# Altium PCB RadarPCB.PcbDoc (continued)
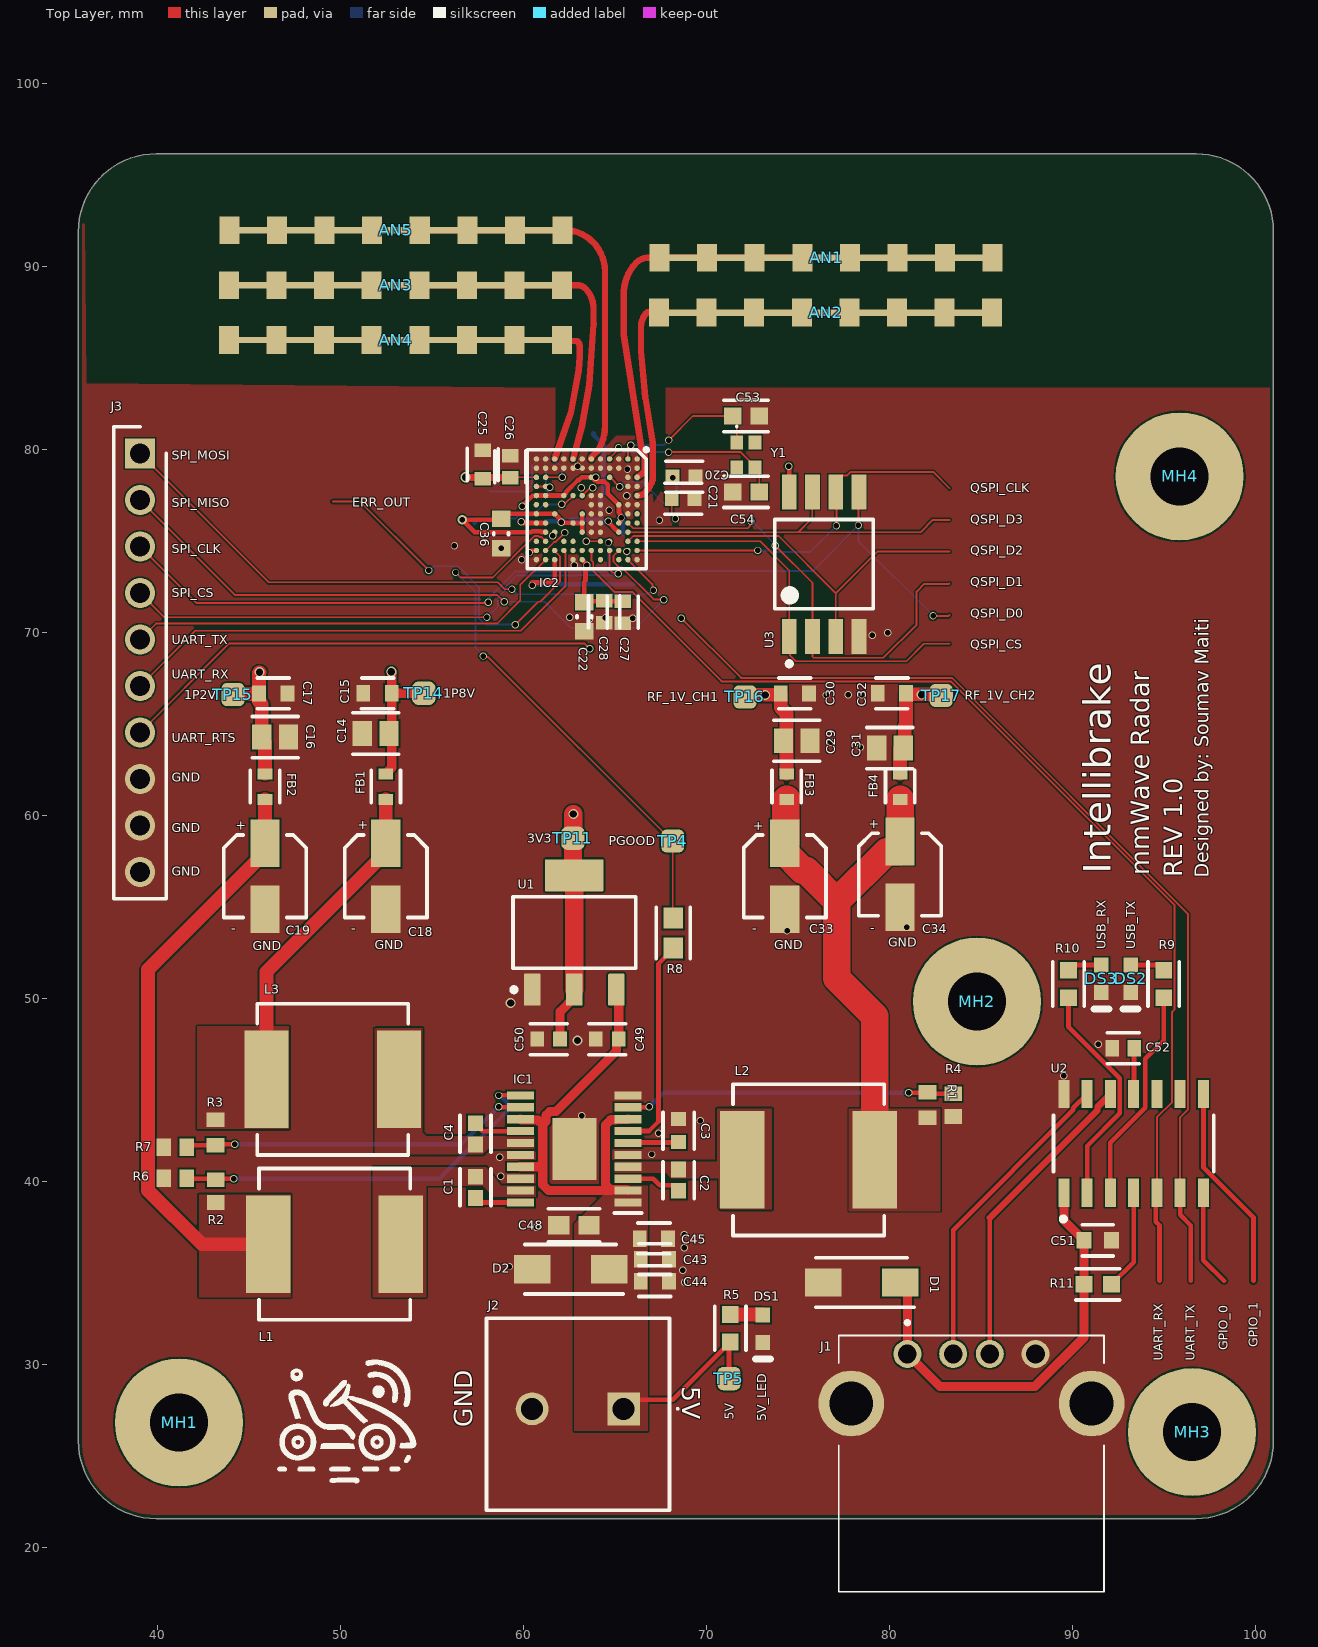
[diagram p0: Top Layer view]
## Part data (continued)
TP4 TP5 TP9 TP11 TP14 TP15 TP16 TP17 TP19 TP20 TP21 TP22 TP23 TP24 TP25 TP26 TP27 TP28: library part Testpoint
U1: library part CMP-0395-00503-2, "Single Output LDO, 1 A, Fixed 3.3 V Output, 2 to 5.5 V Input, 4-pin SOT-223 (DCY), -40 to 125 degC, Green (RoHS & no Sb/Br)", Manufacturer="Texas Instruments", Accuracy(%)=2, Code_JEDEC=TO-261, ComponentLink1Description="Manufacturer URL", ComponentLink1URL=http://www.ti.com/, ComponentLink2Description=Datasheet, ComponentLink2URL=http://www.ti.com/general/docs/lit/getliterature.tsp?genericPartNumber=TLV1117LV33&fileType=pdf, ComponentLink3Description="Package Specification", ComponentLink3URL=http://www.ti.com/litv/pdf/mpds094a, DatasheetVersion=SBVS160A, Eco-Plan="Green (RoHS & no Sb/Br)", Fixed Output Options(V)=3.3, Iout(Max)(A)=1, Iq(Typ)(mA)=0.05, Mounting Technology="Surface Mount", PackageDescription="4-Pin Plastic Small Outline, Body 3.5 x 6.5 mm, Pitch 2.3 mm", PackageReference=DCY0004A, PackageVersion=4202506/B, PartNumber=TLV1117LV33DCYR, SubFamily="Single Channel LDO", Vdo(Typ)(mV)=1200, Vin(Max)(V)=5.5, Vin(Min)(V)=2, Vout Adj(Max)(V)=3.3, Vout Adj(Min)(V)=3.3
U2: library part CMP-06284-000011-1, "IC USB TO I2C/UART 14SOIC", Ambient Temperature Range High=+85°C, Ambient Temperature Range Low=-40°C, Manufacturer=Microchip, Max Junction Temp=+150°C, Max Supply Voltage=5.5V, Min Supply Voltage=3V, Nominal Supply Current=10-13mA, Package=C04-065-SL, Temperature="-40°C to +85°C", Automotive=Yes, Automotive Grade="Grade 3", Category=IC, ComponentLink2Description=Datasheet, ComponentLink2URL=http://ww1.microchip.com/downloads/en/DeviceDoc/20005565B.pdf, Data Rate=12Mbits/s, Device Class L1="Integrated Circuits (ICs)", Device Class L2="Interface ICs", Device Class L3="USB Interface ICs", Digikey Description="IC USB TO I2C/UART 14SOIC", Footprint Url=http://ww1.microchip.com/downloads/en/DeviceDoc/14L%20SOIC%203_90%20mm%20%28SL%29%20C04-00065d.pdf, Height=1.75mm, Interface=I2C,UART,USB, Ipc Land Pattern Name=SOIC127P600X175-14, Lead Free=Yes, Manufacturer Part Number=MCP2221A-I/SL, Octopart=https://octopart.com/mcp2221a-i%2Fsl-microchip-71704986, RoHS=TRUE, Standoff Height=0.1mm, Temperature Range High=+85°C, Temperature Range Low=-40°C, Usb Standard="USB 2.0"
U3: library part CMP-2000-07408-2, "IC FLASH 8MBIT SPI 104MHZ 8SOIC", Case/Package=SOIC, Frequency=104MHz, Max Operating Temperature=85°C, Min Operating Temperature=-40°C, Interface=SPI, Memory Size=8Mb, Memory Type=Non-Volatile, Mount="Surface Mount", Packaging=Rail/Tube, RoHS Compliant=Yes, Series=SpiFlash®
Y1: "Crystal or Oscillator", Manufacturer_Name="Murata Electronics", Mouser Part Number=81-XRCGB40M000F0L0R0, Datasheet Link=https://www.murata.com/products/productdata/8801066844190/SPEC-XRCGB40M000F0L00R0.pdf, Height=0.7mm, Manufacturer_Part_Number=XRCGB40M000F0L00R0, Mouser Price/Stock=https://www.mouser.co.uk/ProductDetail/Murata-Electronics/XRCGB40M000F0L00R0?qs=e%252BE4OD6MgMeIG7IAXBIJgA%3D%3D

## Via types
v1: diameter 0.4, hole 0.3, Top Layer to Bottom Layer, tented bottom, 88 vias
v2: diameter 0.55, hole 0.4, Top Layer to Bottom Layer, tented bottom, 8 vias
v3: diameter 0.5, hole 0.3, Top Layer to Bottom Layer, tented bottom, 1 vias

## Nets (pads, with @x,y where several pads share a name; then routed paths per layer and width w, separated by ;. In a path a pad name is that pad's centre, name@x,y a point inside that pad or via, vN(x,y) a via of type N, cw(c..) or ccw(c..) an arc to the next point about the centre after c; other vN are vias at no path point)
1P2V_CORE: C16.1 C17.1 C36.2 C37.1 C38.1 C39.1 C41.1 C42.1 FB2.2 IC2.C9 IC2.G7 IC2.G8 IC2.G9 IC2.H8 IC2.K7 IC2.L9 IC2.M7 TP15.0 | length 44.1
  Top Layer w0.254: IC2.L9 61.222,75.508 61.008,75.508 60.961,75.556 60.5,75.556 60.444,75.5 57.35,75.5 v3(56.675,76.175) 58.7,76.175 59.025,76.5 IC2.M7 IC2.K7 62.222,76.008 62.722,76.008 IC2.H8 IC2.G8 ; IC2.G9 IC2.G8 ; IC2.G7 IC2.G8 ; v1(64.656,76.108) 64.684,76.08 64.684,76.029 65.102,75.611 65.108,75.611 65.218,75.5 IC2.C9
  Top Layer w0.75: TP15.0 44.18,66.655 45.575,66.655 C17.1 ; v2(45.6,67.85) 45.575,67.825 C17.1 ; C16.1@45.727,64.149 45.9,63.977 FB2.2 ; C16.1 45.727,66.103 45.575,66.255 C17.1
  PWR w0.75: v2(45.6,67.85) 48.35,67.85 v3(56.675,76.175)
  Bottom Layer w0.254: v3(56.675,76.175) 57.327,76.175 57.355,76.147 C42.1@57.355,76 ; C38.1 62.175,76.1 C39.1@62.213,76.138 ; C39.1@62.6,76.175 64.08,76.175 64.155,76.1 64.23,76.1 64.23,77.505 C41.1@64.3,77.575 ; C37.1 63.85,80.825 64.392,80.283 64.392,77.77 C41.1 ; 64.3,75.95 64.43,76.08 64.628,76.08 v1(64.656,76.108)
  other v1: 62.083,76.035
1P2V_RF: C35.2 C40.1 IC2.L4 IC2.M4 | length 2.6
  Top Layer w0.1: IC2.M4 61.41,78 v1(61.46,77.95)
  Bottom Layer w0.1: C40.1@61.25,79.15 61.25,77.8 C35.2 61.4,77.89 v1(61.46,77.95)
1P8V: C6.1 C7.1 C8.1 C9.1 C10.1 C11.1 C12.1 C13.1 C14.1 C15.1 FB1.2 IC2.C6 IC2.C8 IC2.F3 IC2.J5 IC2.K12 IC2.L5 IC2.L8 IC2.M5 IC2.M8 TP14.0 | length 40.7
  Top Layer w0.254: v1(59.9,76.075) 59.94,76.075 60.015,76 IC2.M8 IC2.L8 ; v1(59.95,76.925) 60.517,77.492 60.722,77.492 IC2.M5 IC2.L5 IC2.J5 62.23,77.512 62.364,77.646 62.364,77.716 63.001,78.352 63.063,78.352 63.202,78.492 63.722,78.492 IC2.F3 ; v1@60.475,72.75 61.5,72.75 61.73,72.98 IC2.K12 ; IC2.F3@63.742,78.5 63.893,78.349 63.979,78.349 64.058,78.27 64.442,78.27 64.62,78.093 64.62,77.611 65.239,76.992 65.239,76.561 65.324,76.476 65.324,76.345 65.35,76.319 65.394,76.319 65.324,76.249 65.324,76.106 65.23,76.012 IC2.C8 ; v1(63.975,78.505) 63.975,78.465 64.054,78.386 64.054,78.274
  Top Layer w0.5: FB1.2 52.6,62.3 52.65,62.35 52.65,62.45 52.825,62.625 C15.1 ; v2(52.8,67.875) 52.8,67.861 52.825,67.836 C15.1 ; TP14.0 C15.1
  PWR w0.254: v1(59.95,76.925) 59.95,76.344 59.928,76.322 59.928,76.103 v1(59.9,76.075) 59.9,74.911 59.5,74.511 59.5,73.586 v1(60.499,72.588)
  PWR w0.5: v2(52.8,67.875) 55.95,67.875 60.499,72.424 v1(60.499,72.588)
  Bottom Layer w0.254: C6.1@60.6,72.65 C7.1 C8.1 ; v1(65.352,76.277) 65.438,76.363 C13.1@65.438,75.413
1V0_RF_OUT_01: C23.1 C24.1 C29.1 C30.1 FB3.2 IC2.L3 TP16.0 | length 30.7
  Top Layer w0.1: IC2.L3 v1(62.135,78.5)
  Top Layer w0.75: TP16.0 72.235,66.61 74.075,66.61 C30.1 74.075,65.925 74.4,65.6 FB3.2
  PWR w0.4: v1(62.135,78.5) 62.135,78.281 64.151,76.265 64.151,75.92 64.581,75.49 64.933,75.49 65.058,75.365 65.827,75.365 73.225,67.967 v2(73.225,66.6)
  Bottom Layer w0.1: C24.1 C23.1 60.177,77.725 60.497,78.045 60.497,79.17 60.817,79.49 61.683,79.49 62.135,79.038 v1(62.135,78.5)
1V0_RF_OUT_02: C25.1 C26.1 C31.1 C32.1 FB4.2 IC2.M3 TP17.0 | length 42.2
  Top Layer w0.1: C26.1 59.325,78.5 IC2.M3
  Top Layer w0.4: v2(56.85,78.5) 56.863,78.487 59.288,78.487 C26.1
  Top Layer w0.75: FB4.2 C31.1@80.6,63.7 ; C31.1@80.62,63.7 80.86,63.939 80.86,64.91 80.925,64.975 C32.1 80.925,66.637 82.788,66.637 TP17.0
  PWR w0.254: v2(56.85,78.5) 56.891,78.5 57.676,79.286 62.571,79.286 62.802,79.517 64.527,79.517 67.344,76.7 72.775,76.7 74.5,74.975 74.5,73.125 81,66.625 v2(81.775,66.625)
3V3: C22.2 C27.1 C28.1 C50.1 IC2.G12 IC2.M11 TP11.0 U1.2 U1.4 U3.8 | length 73.5
  Top Layer w0.254: v1(60.336,74.386) 60.376,74.386 60.481,74.492 60.722,74.492 IC2.M11 ; IC2.G12 63.23,73.988 63.493,73.725 v1(63.493,73.695) ; v1@63.412,73.613 63.412,72.837 63.35,72.775 C22.2 63.4,71.725 64.425,71.725 C27.1 ; v1(74.525,79.1) 74.545,79.08 U3.8
  Top Layer w0.5: C50.1 62.027,49.302 62.8,50.075 U1.2
  Top Layer w1: v2(62.75,60.1) 62.75,58.8 TP11.0 62.725,56.825 U1.4 U1.2
  PWR w0.254: v1(60.336,74.386) 62.839,74.386 63.493,73.732 63.493,71.202 62.75,70.459 62.75,62.325 ; v2(62.75,60.1) 62.75,62.325 ; v1(74.525,79.1) 74.525,76.225 82.267,68.483 82.267,66.421 78.171,62.325 62.75,62.325
5V_LED: DS1.1 R5.1 | length 1.8
  Top Layer w0.75: R5.1 73.074,32.751 DS1.1
+5: C43.1 C44.1 C45.1 C48.1 C49.1 D2.1 IC1.1 IC1.2 IC1.8 IC1.13 IC1.17 J2.1 R5.2 TP5.0 U1.3 | length 34.3
  Top Layer w0.254: J2.1@65.5,28.1 68.175,28.1 R5.2@71.324,31.249 ; TP5.0 71.25,31.174 R5.2
  Top Layer w0.5: IC1.17 60.85,40.825 61.075,41.05 ; IC1.13 59.905,43.382 60.812,43.382 61.075,43.119 ; 64.797,39.525 61.4,39.525 61.075,39.85 61.075,41.05 ; U1.3 65.227,50.373 C49.1 65.098,47.671 65.098,47.142 61.796,43.84 61.459,43.84 61.26,43.641 61.26,43.304 61.075,43.119 ; IC1.2 65.685,39.578 64.797,39.578 64.5,39.875 64.5,43.103 64.793,43.396 65.065,43.396 65.069,43.4 65.713,43.4 IC1.8 ; 61.075,41.05 61.075,43.119
ERR_OUT: IC2.K11 TP9.0 | length 19.2
  Top Layer w0.1: 49.6,77.175 51.086,77.175 v1(54.851,73.41) ; v1(59.575,70.45) 60.826,71.701 60.932,71.701 62.019,72.788 62.019,74.173 61.73,74.462 IC2.K11
  Bottom Layer w0.1: v1(54.851,73.41) 54.889,73.41 55.117,73.638 56.453,73.638 57.59,72.501 57.59,70.804 57.944,70.45 v1(59.575,70.45)
FB_1V0: IC1.9 R1.1 R4.2 | length 18.1
  Top Layer w0.254: IC1.9 65.751,44.087 66.887,44.087 v1(66.9,44.1) ; v1(81.075,44.875) 82.075,44.875 R1.1 82.175,44.825 R4.2
  Bottom Layer w0.254: v1(66.9,44.1) 67.675,44.875 v1(81.075,44.875)
FB_1V2: IC1.11 R2.1 R6.2 | length 21.4
  Top Layer w0.254: R6.2 41.65,40.175 43.15,40.175 R2.1 43.25,40.175 v1(44.2,40.175) ; v1(58.675,44.725) IC1.11
  Bottom Layer w0.254: v1(44.2,40.175) 55.425,40.175 59.152,43.902 59.152,44.298 58.743,44.707 58.693,44.707 v1(58.675,44.725)
FB_1V8: IC1.12 R3.1 R7.2 | length 19.2
  Top Layer w0.254: R7.2 41.725,42 R3.1 43.25,42.05 v1(44.25,42.05) ; v1(58.675,44.1) 58.688,44.087 59.849,44.087 IC1.12
  Bottom Layer w0.254: v1(44.25,42.05) 56.625,42.05 v1(58.675,44.1)
GND: C3.2 C5.1 C6.2 C7.2 C8.2 C9.2 C10.2 C11.2 C12.2 C13.2 C14.2 C15.2 C16.2 C17.2 C18.2 C19.2 C20.2 C21.2 C22.1 C23.2 C24.2 C25.2 C26.2 C27.2 C28.2 C29.2 C30.2 C31.2 C32.2 C33.2 C34.2 C35.1 C36.1 C37.2 C38.2 C39.2 C40.2 C41.2 C42.2 C43.2 C44.2 C45.2 C48.2 C49.2 C50.2 C51.2 C52.2 C53.2 C54.2 D1.2 D2.2 DS1.2 DS2.2 DS3.2 IC1.5 IC1.10 IC1.16 IC1.18 IC1.21 IC2.A1 IC2.A2 IC2.A4 IC2.A6 IC2.A12 IC2.B2 IC2.B3 IC2.B4 IC2.B5 IC2.B6 IC2.B7 IC2.C1 IC2.C2 IC2.D2 IC2.E1 IC2.E2 IC2.E5 IC2.E6 IC2.E7 IC2.E8 IC2.E9 IC2.F2 IC2.F5 IC2.F6 IC2.F7 IC2.F8 IC2.F9 IC2.G1 IC2.G2 IC2.H2 IC2.H12 IC2.J1 IC2.J2 IC2.K2 IC2.K9 IC2.L1 IC2.L2 IC2.M1 IC2.M2 IC2.M12 J1.4 J1.MH1 J1.MH2 J2.2 J3.8 J3.9 J3.10 R4.1 R6.1 R7.1 U1.1 U2.14 U3.4 | length 0.2
  Top Layer w0.1: v1(61.626,75.309) 61.626,75.395 IC2.K9
  other v1: 68.825,34.525 68.725,35.175 59.25,35.375 68.805,36.395 68.8,37.125 60.725,37.525 58.775,40.3 58.725,41.35 67.025,41.5 67.4,42.65 69.675,43.35 63.204,43.609 89.55,45.8 91.425,47.525 74.425,53.725 80.975,53.925 78.425,63.75 76.8,64.025 76.574,66.599 77.775,66.625 78.498,66.625 79.075,69.875 79.925,70 63.628,70.747 66,70.8 64.5,70.825 62.551,70.849 62.8,73.695 59.917,74 58.8,74.625 56.25,74.75 67.45,76.15 64.7,76.7 65.671,77.491 63.174,77.935 65.704,78.929 62.975,79.1
  other v2: 62.975,47.725 59.325,49.775
GPIO_0: TP19.0 U2.7 | length 5.3
  Top Layer w0.254: U2.7 97.17,35.73 98.3,34.6
GPIO_1: TP20.0 U2.8 | length 11.3
  Top Layer w0.275: U2.8 97.17,40.797 99.9,38.067 99.9,34.6
NetC1_1: C1.1 IC1.20 | length 2.6
  Top Layer w0.254: C1.1 57.648,38.875 IC1.20
NetC1_2: C1.2 IC1.19 L1.1
NetC2_1: C2.1 IC1.4 L2.2
NetC2_2: C2.2 IC1.3 | length 3
  Top Layer w0.254: IC1.3 67.11,40.175 67.46,39.825 68.221,39.825 68.5,39.546 C2.2
NetC3_1: C3.1 IC1.6 | length 2.8
  Top Layer w0.254: IC1.6 65.762,42.149 68.476,42.149 C3.1
NetC4_1: C4.1 IC1.14 | length 2.7
  Top Layer w0.254: C4.1 57.4,43.177 57.802,42.775 IC1.14
NetC4_2: C4.2 IC1.15 L3.1
NetC52_1: C52.1 U2.11 | length 2.5
  Top Layer w0.254: U2.11 93.38,44.82 93.38,47.28 C52.1
NetC53_1: C53.1 IC2.B1 Y1.1 | length 8.6
  Top Layer w0.1: IC2.B1 65.73,80.105 v1@65.875,80.25 ; v1(67.968,80.532) 69.286,81.85 C53.1 71.675,81.623 Y1.1
  Bottom Layer w0.1: v1(65.881,80.256) 67.692,80.256 v1(67.968,80.532)
NetC54_1: C54.1 IC2.D1 Y1.3 | length 10.2
  Top Layer w0.1: IC2.D1 64.73,79.554 65.216,80.039 v1(65.216,80.109) ; v1(67.95,79.875) 67.96,79.885 71.865,79.885 72.675,79.075 Y1.3 72.902,78.823 C54.1
  Bottom Layer w0.1: v1(65.216,80.109) 65.268,80.109 65.489,79.887 67.938,79.887 v1(67.95,79.875)
NetDS2_1: DS2.1 R9.1 | length 1.9
  Top Layer w0.254: DS2.1 94.707,51.85 R9.1
NetDS3_1: DS3.1 R10.1 | length 1.9
  Top Layer w0.254: R10.1 90.093,51.85 DS3.1
NetIC1_7: IC1.7 R8.1 | length 11.7
  Top Layer w0.254: IC1.7 65.744,42.781 66.881,42.781 67.4,43.3 67.4,51.925 68.2,52.725 R8.1
NetIC2_L10: IC2.L10 R8.2 TP4.0 | length 30
  Top Layer w0.1: v1(56.312,73.298) 56.585,73.025 58.348,73.025 59.44,74.117 59.44,74.118 60.611,75.289 60.85,75.289 60.898,75.241 60.989,75.241 IC2.L10 ; v1(57.83,68.731) 57.887,68.673 58.102,68.673 68.15,58.625 TP4.0 68.175,54.452 R8.2
  Bottom Layer w0.1: v1(56.312,73.298) 57.4,72.21 57.4,69.161 v1(57.83,68.731)
NetR11_1: R11.1 U2.4 | length 5.5
  Top Layer w0.254: R11.1@92.151,34.401 93.36,35.61 U2.4
PMIC_1V0: C33.1 C34.1 FB3.1 FB4.1 L2.1 R1.2 | length 28.8
  Top Layer w1.5: C33.1@74.3,58 75.26,57.04 75.448,57.04 77.15,55.338 ; C33.1 74.35,58.55 74.35,60.85 FB3.1 ; L2.1 79.219,49.056 77.15,51.125 77.15,55.338 ; FB4.1 C34.1 80.6,58.1 80.55,58.05 79.862,58.05 77.15,55.338
PMIC_1V2: C19.1 FB2.1 L1.2 R2.2 | length 31.8
  Top Layer w0.75: FB2.1 C19.1 45.9,58 39.51,51.61 39.51,39.532 42.442,36.6 L1.2
PMIC_1V8: C18.1 FB1.1 L3.2 R3.2 | length 18
  Top Layer w0.75: L3.2 45.98,51.481 52.5,58 C18.1 FB1.1
QSPI_0: IC2.B11 TP24.0 U3.5 | length 23.8
  Top Layer w0.1: v1(65.669,74.444) 65.725,74.5 IC2.B11 ; v1(78.325,75.875) 78.325,77.67 U3.5 ; v1(82.4,70.925) 83.25,70.925 83.3,70.975
  Bottom Layer w0.1: v1(65.669,74.444) 65.669,74.093 66.387,73.375 75.825,73.375 v1(78.325,75.875) 78.325,75 v1(82.4,70.925)
QSPI_1: IC2.B8 TP25.0 U3.2 | length 26.2
  Top Layer w0.1: IC2.B8 66.019,75.711 72.269,75.711 72.393,75.835 72.393,76.038 v1(72.45,76.096) ; v1(73.785,74.76) 75.815,72.731 U3.2 75.815,68.7 75.875,68.64 79.69,68.64 81.5,70.45 81.5,72.25 81.924,72.674 83.267,72.674 83.3,72.706
  Bottom Layer w0.1: v1(72.45,76.096) 72.515,76.096 73.785,74.825 v1(73.785,74.76)
QSPI_2: IC2.B10 TP27.0 U3.3 | length 22.3
  Top Layer w0.1: IC2.B10 66.021,75.291 73.959,75.291 77.085,72.165 ; U3.3 77.085,70.35 77.085,72.165 ; 83.3,74.437 79.357,74.437 77.085,72.165
QSPI_3: IC2.B9 TP28.0 U3.7 | length 20.4
  Top Layer w0.1: IC2.B9 75.025,75.5 ; U3.7 75.8,77.685 75.8,76.275 75.025,75.5 ; 83.3,76.169 82.394,76.169 81.725,75.5 75.025,75.5
QSPI_CLK: IC2.A11 TP23.0 U3.6 | length 20.7
  Top Layer w0.1: IC2.A11 v1(72.825,74.5) ; v1(77.125,75.85) 77.125,77.66 U3.6 77.085,78.25 77.435,78.6 77.707,78.6 77.897,78.79 82.41,78.79 83.3,77.9
  Bottom Layer w0.1: v1(72.825,74.5) 73.565,74.5 73.645,74.42 75.695,74.42 v1(77.125,75.85)
QSPI_CS: IC2.A10 TP26.0 U3.1 | length 22.9
  Top Layer w0.1: IC2.A10 72.95,75 74.545,73.405 U3.1 74.591,69.754 74.591,68.759 74.9,68.45 80.95,68.45 81.9,69.4 83.3,69.4
RX1: AN4.0 IC2.K1 | length 16.6
  Top Layer w0.35: AN4.0@53.03,86 54.33,86 56.93,86 59.53,86 AN4.0@62.13,86 ; IC2.K1 62.619,82.054 ; AN4.0@62.13,86 62.503,85.944 62.737,85.944 62.97,85.944 cw(c62.656,85.63) 63.1,85.63 63.1,85.054 ; 62.619,82.052 63.035,84.354 ; 63.035,84.359 63.101,85.059
RX2: AN3.0 IC2.H1 | length 20
  Top Layer w0.35: AN3.0@53.03,89 54.33,89 56.93,89 59.53,89 62.13,89 62.95,89 cw(c62.95,88.359) 63.404,88.812 cw(c62.324,87.732) 63.851,87.732 63.851,86.878 ; IC2.H1 63.208,81.244 ; 63.208,81.241 63.615,83.529 ; 63.615,83.535 63.851,86.884
RX3: AN5.0 IC2.F1 | length 23.2
  Top Layer w0.35: AN5.0@53.055,92 54.355,92 56.955,92 59.555,92 AN5.0@62.289,92 ; AN5.0@62.289,92.024 cw(c62.204,89.754) 64.475,89.754 64.475,81.298 cw(c61.933,81.298) 64.065,79.914 64.059,79.914 63.73,79.585 IC2.F1
SPI_CLK: IC2.D10 J3.3 | length 29.2
  Top Layer w0.1: J3.3 42.165,71.625 58.05,71.625 v1(58.1,71.675)
  Bottom Layer w0.1: v1(58.1,71.675) 58.157,71.732 58.157,71.907 59.605,73.355 64.606,73.355 64.664,73.414 v1(64.664,74.934)
SPI_CS: IC2.D11 J3.4 | length 29.7
  Top Layer w0.1: J3.4 40.4,70.85 v1(58.025,70.85) ; IC2.D11 64.73,73.443 64.89,73.284 65.149,73.284 v1(65.206,73.226)
  Bottom Layer w0.1: v1(58.025,70.85) 58.632,71.457 58.632,71.939 59.051,72.357 59.051,72.525 59.666,73.14 61.492,73.14 63.017,73.14 63.042,73.165 64.058,73.165 64.083,73.14 64.806,73.14 64.856,73.19 65.17,73.19 v1(65.206,73.226)
SPI_MISO: IC2.C11 J3.2 | length 36.5
  Top Layer w0.1: J3.2 44.255,72.075 58.575,72.075 58.775,71.875 58.8,71.875 v1@59,71.675 ; IC2.C11 64.942,74.212 64.942,74.12 64.941,73.88 65.255,73.566 65.406,73.566 67.156,71.816 v1(67.684,71.816)
  Bottom Layer w0.1: v1(58.972,71.696) 61.181,71.696 62.602,70.275 66.143,70.275 v1(67.684,71.816)
SPI_MOSI: IC2.B12 J3.1 | length 33.6
  Top Layer w0.1: J3.1 46.11,72.76 58.615,72.76 58.991,72.384 v1(59.391,72.384) ; IC2.B12 67.069,72.661 67.069,72.384 v1(67.126,72.326)
  Bottom Layer w0.1: v1(59.391,72.384) 59.408,72.384 59.682,72.11 66.848,72.11 67.064,72.326 v1(67.126,72.326)
TX1: AN1.0 IC2.A3 | length 22.7
  Top Layer w0.35: IC2.A3 66.463,78.657 ccw(c66.23,79) 66.644,79 66.644,79.671 66.519,79.796 65.5,86.294 65.5,88.383 65.5,88.39 cw(c68.046,88.494) 66.187,90.237 cw(c66.898,89.406) 66.898,90.5 67.23,90.5 70.055,90.5 72.655,90.5 75.255,90.5 AN1.0@76.555,90.5
TX2: AN2.0 IC2.A5 | length 11.3
  Top Layer w0.35: IC2.A5 66.367,77.511 ccw(c66.34,77.86) 66.551,77.58 ccw(c65.662,78.752) 67.07,78.326 ccw(c66.734,78.426) 67.084,78.426 67.084,80.4 67.084,80.407 ; 66.441,85.392 66.684,82.864 66.686,82.853 67.084,80.401 ; 66.442,85.384 66.442,86.202 66.442,86.703 cw(c67.606,86.703) 66.672,87.397 66.692,87.417 66.794,87.519 66.939,87.519 66.946,87.519 67.058,87.515 AN2.0@67.43,87.5
UART_RTS: IC2.L11 J3.7 | length 35.3
  Top Layer w0.1: J3.7 43.945,69.425 63.354,69.425 v1(63.65,69.129) ; IC2.L11 61.692,74.961 61.761,74.961 v1@62.275,75.475
  PWR w0.1: v1(62.281,75.481) 63.968,73.794 63.968,69.447 v1(63.65,69.129)
UART_RX: IC2.J11 J3.6 | length 27.5
  Top Layer w0.1: J3.6 42.09,70.11 59.885,70.11 62.315,72.54 62.315,74.362 62.23,74.446 IC2.J11
UART_TX: IC2.L12 J3.5 | length 24.5
  Top Layer w0.1: J3.5 39.95,70.51 58.585,70.51 59.85,71.775 59.85,72.62 IC2.L12
USB_5V: C51.1 D1.1 J1.1 R11.2 U2.1 | length 24.2
  Top Layer w0.5: D1.1@81.1,34.9 81,34.8 J1.1 82.775,28.825 87.975,28.825 90.649,31.499 R11.2 C51.1 ; U2.1 89.55,37.9 90.45,37 90.5,37 90.65,36.85 C51.1
USB_D_N: J1.2 U2.13 | length 17.2
  Top Layer w0.254: J1.2 83.5,37.368 90.067,43.935 90.067,44.047 U2.13
USB_D_P: J1.3 U2.12 | length 16.9
  Top Layer w0.254: J1.3 85.5,38.03
  Top Layer w0.35: 85.5,38.03 91.385,43.915 91.385,44.095 U2.12
USB_RX: R10.2 U2.2 | length 12.6
  Top Layer w0.254: R10.2 89.8,48.472 92.607,45.665 92.607,43.75 90.82,41.963 U2.2
USB_TX: R9.2 U2.3 | length 11.9
  Top Layer w0.254: U2.3 92.09,42.148 93.992,44.05 93.992,46.717 95,47.725 R9.2
USB_UART_RX: IC2.F11 TP22.0 U2.5 | length 61.5
  Top Layer w0.1: IC2.F11 63.73,73.971 63.833,73.868 63.833,73.392 64.985,72.24 65.958,72.24 70.848,67.35 83.357,67.35 95.596,55.111 95.596,49.433 95.46,49.297 95.46,47.825 95.46,44.357 94.63,43.527 U2.5
  Top Layer w0.254: U2.5 94.575,39.345 94.575,37.825 94.775,37.625 94.775,34.6
USB_UART_TX: IC2.E10 TP21.0 U2.6 | length 62.6
  Top Layer w0.1: v1(63.45,75) IC2.E10 ; v1(68.65,70.8) 71.91,67.54 83.436,67.54 96.34,54.636 96.34,43.967 95.9,43.527 U2.6
  Top Layer w0.254: U2.6 95.9,38.2 96.483,37.617 96.483,34.6
  PWR w0.1: v1(63.45,75) 64.884,73.566 65.347,73.566 68.188,70.725 68.294,70.725 68.311,70.743 68.593,70.743 v1(68.65,70.8)
VBGAP: C5.2 IC2.H5 | length 4.4
  Top Layer w0.1: v1(62.113,77.027) 62.17,77.084 62.315,77.084 IC2.H5
  Bottom Layer w0.1: C5.2 59.594,76.25 59.759,76.415 60.522,76.415 61.117,77.01 62.096,77.01 v1(62.113,77.027)
VOUT_1P4_APP: C21.1 IC2.G5 | length 7.7
  Top Layer w0.1: IC2.G5 63.605,77.875 63.748,77.875 v1(63.806,77.932) ; C21.1@68.125,77.275 68.125,76.506 68.325,76.306 v1(68.325,76.225)
  PWR w0.1: v1(63.806,77.932) 64.678,77.932 66.8,75.81 68.285,75.81 68.344,75.869 68.344,76.206 v1(68.325,76.225)
VOUT_1P4_SYNTH: C20.1 IC2.D3 | length 6
  Top Layer w0.1: IC2.D3 64.755,78.5 65.267,77.988 v1(65.292,77.988)
  Bottom Layer w0.1: v1(65.292,77.988) 65.292,78.01 65.538,78.256 66.519,78.256 67.79,76.985 68.21,76.985 68.39,77.165 68.39,78.26 v1(68.175,78.475)
pads on no net: IC2.A7 IC2.A8 IC2.C12 IC2.E11 IC2.E12 IC2.G11 IC2.H10 IC2.H11 IC2.J10 IC2.L6 IC2.M6 IC2.M10 MH1.4 MH2.4 MH3.4 MH4.4 U2.9 U2.10 Y1.2 Y1.4

## Polygon pours and split planes (outlines as drawn)
no net on Top Solder "NONET_L01_P005" (solid, pour order 5): 66.055,77.275 66.505,77.275 67.405,78.175 67.405,81.275 67.405,83.447 101,83.447 101,96.175 35.7,96.175 35.7,83.447 61.455,83.447 61.455,79.225 65.955,79.225
GND on PWR "Top Layer-GND" (solid, remove dead copper, pour order 17): 35.711,21.618 101.011,21.618 101.011,96.193 35.711,96.193
GND on Top Layer "Top Layer-GND" (solid, remove dead copper, pour order 14): 39.775,21.775 96.925,21.775 ccw(c96.925,25.85) 101,25.85 101,91.95 ccw(c96.775,91.95) 96.775,96.175 39.95,96.175 ccw(c39.95,92.1) 35.875,92.1 35.875,25.675 ccw(c39.775,25.675)
PMIC_1V8 on Top Layer "PMIC_1V8_L01_P013" (solid, pour order 13): 42.2,48.5 42.2,42.9 47.2,42.9 47.2,48.5
PMIC_1V2 on Top Layer "PMIC_1V2_L01_P012" (solid, pour order 12): 42.3,39.3 42.3,33.7 47.3,33.7 47.3,39.3
NetC4_2 on Top Layer "NETC4_2_L01_P011" (solid, pour order 11): 60.6,41.8 58.1,41.8 57.8,41.5 51.9,41.5 51.9,48.5 52,48.4 54.5,48.4 54.5,42.7 54.7,42.5 60.6,42.5
NetC1_2 on Top Layer "NETC1_2_L01_P010" (solid, pour order 10): 60.7,39.8 58.8,39.8 58,40.8 51.8,40.8 51.8,33.7 54.7,33.7 54.7,39.8 57.8,39.8 58.4,39.2 60.7,39.2
PMIC_1V0 on Top Layer "PMIC_1V0_L01_P009" (solid, pour order 9): 77.8,44 77.8,38.4 82.8,38.4 82.8,44
NetC2_1 on Top Layer "NETC2_1_L01_P008" (solid, remove dead copper, pour order 8): 65,41.1 65,40.5 67.8,40.5 68.1,40.2 70.7,40.2 70.7,38.6 70.8,38.5 73.6,38.5 73.6,44 70.6,44 70.6,41.1
+5 on Top Layer "+5_L01_P007" (solid, remove dead copper, pour order 7): 64.9,39.8 66.8,39.8 66.8,26.4 62.8,26.4 62.8,37.7
GND on GND "Top Layer-GND" (solid, remove dead copper, pour order 18): 35.711,21.592 101.011,21.592 101.011,96.175 35.711,96.175
GND on Bottom Layer "Top Layer-GND" (solid, remove dead copper, pour order 16): 35.7,21.6 101,21.6 101,96.175 35.7,96.175

## Other copper
Top Layer:
  pour cut-out: 67.101,77.049 67.801,78.149 67.801,83.4 101.32,83.4 101.32,96.149 36.02,96.149 36.132,83.624 61.75,83.4 61.771,79.972 64.251,79.899 65.099,80.761 67.026,80.761

## Silkscreen, mask and mechanical layers (free items; w line width, h text height)
Top Overlay:
  drawing of 20 lines, arcs and shapes, not listed
  text "SPI_MOSI" at 40.8,79.458 h0.5
  text "QSPI_CLK" at 84.425,77.675 h0.5
  text "ERR_OUT" at 50.675,76.9 h0.5
  text "SPI_MISO" at 40.8,76.858 h0.5
  text "QSPI_D3" at 84.425,75.965 h0.5
  text "SPI_CLK" at 40.8,74.358 h0.5
  text "QSPI_D2" at 84.425,74.255 h0.5
  text "QSPI_D1" at 84.425,72.545 h0.5
  text "SPI_CS" at 40.8,71.933 h0.5
  text "QSPI_D0" at 84.425,70.835 h0.5
  text "UART_TX" at 40.8,69.375 h0.5
  text "QSPI_CS" at 84.425,69.125 h0.5
  text "UART_RX" at 40.8,67.483 h0.5
  text "1P8V" at 55.65,66.45 h0.5
  text "1P2V" at 41.475,66.375 h0.5
  text "RF_1V_CH2" at 84.125,66.35 h0.5
  text "RF_1V_CH1" at 66.775,66.25 h0.5
  text "UART_RTS" at 40.8,64.025 h0.5
  text "GND" at 40.8,61.85 h0.5
  text "+" at 78.9,59.325 h0.5
  text "+" at 50.975,59.275 h0.5
  text "+" at 44.3,59.25 h0.5
  text "+" at 72.575,59.225 h0.5
  text "GND" at 40.8,59.1 h0.5
  text "3V3" at 60.225,58.525 h0.5
  text "PGOOD" at 64.675,58.4 h0.5
  text "Intellibrake" at 92.105,56.845 h1.5 r90
  text "mmWave Radar" at 94.205,56.745 h1.02 r90
  text "GND" at 40.8,56.725 h0.5
  text "REV 1.0" at 96.005,56.645 h1.02 r90
  text "Designed by: Soumav Maiti" at 97.471,56.625 h0.76 r90
  text "-" at 78.975,53.65 h0.5
  text "-" at 50.6,53.625 h0.5
  text "-" at 72.525,53.625 h0.5
  text "-" at 44.05,53.6 h0.5
  text "GND" at 79.95,52.85 h0.5
  text "GND" at 51.9,52.725 h0.5
  text "GND" at 73.725,52.725 h0.5
  text "USB_RX" at 91.842,52.725 h0.5 r90
  text "USB_TX" at 93.442,52.7 h0.5 r90
  text "GND" at 45.225,52.65 h0.5
  text "GPIO_1" at 100.15,30.975 h0.5 r90
  text "GPIO_0" at 98.492,30.808 h0.5 r90
  text "UART_RX" at 94.95,30.225 h0.5 r90
  text "UART_TX" at 96.7,30.225 h0.5 r90
  text "5V" at 68.7,28.825 h1 r270
  text "5V" at 71.525,27 h0.5 r90
  text "5V_LED" at 73.3,26.925 h0.5 r90
  text "GND" at 57.225,26.6 h1 r90
Bottom Overlay:
  text "SPI_MOSI" at 44.325,79.4 h0.5
  text "SPI_MISO" at 44.325,76.8 h0.5
  text "SPI_CLK" at 44.325,74.4 h0.5
  text "SPI_CS" at 44.325,71.95 h0.5
  text "UART_TX" at 44.325,69.425 h0.5
  text "UART_RX" at 44.325,66.75 h0.5
  text "UART_RTS" at 44.325,64.3 h0.5
  text "GND" at 44.325,61.85 h0.5
  text "GND" at 44.325,59.3 h0.5
  text "GND" at 44.325,56.75 h0.5
  text "USB_5V" at 81.117,29.025 h0.5 r90
  text "USB_N" at 83.875,29.025 h0.5 r90
  text "USB_P" at 85.7,29.025 h0.5 r90
  text "GND" at 88.225,29.025 h0.5 r90
  text "GND" at 60.675,26.275 h0.5 r90
  text "5V" at 65.8,26.175 h0.5 r90
  text "GND" at 78.125,26.1 h0.5 r90
  text "GND" at 91.4,26.05 h0.5 r90